# KiCad board 4servoboard-4x4.kicad_pcb
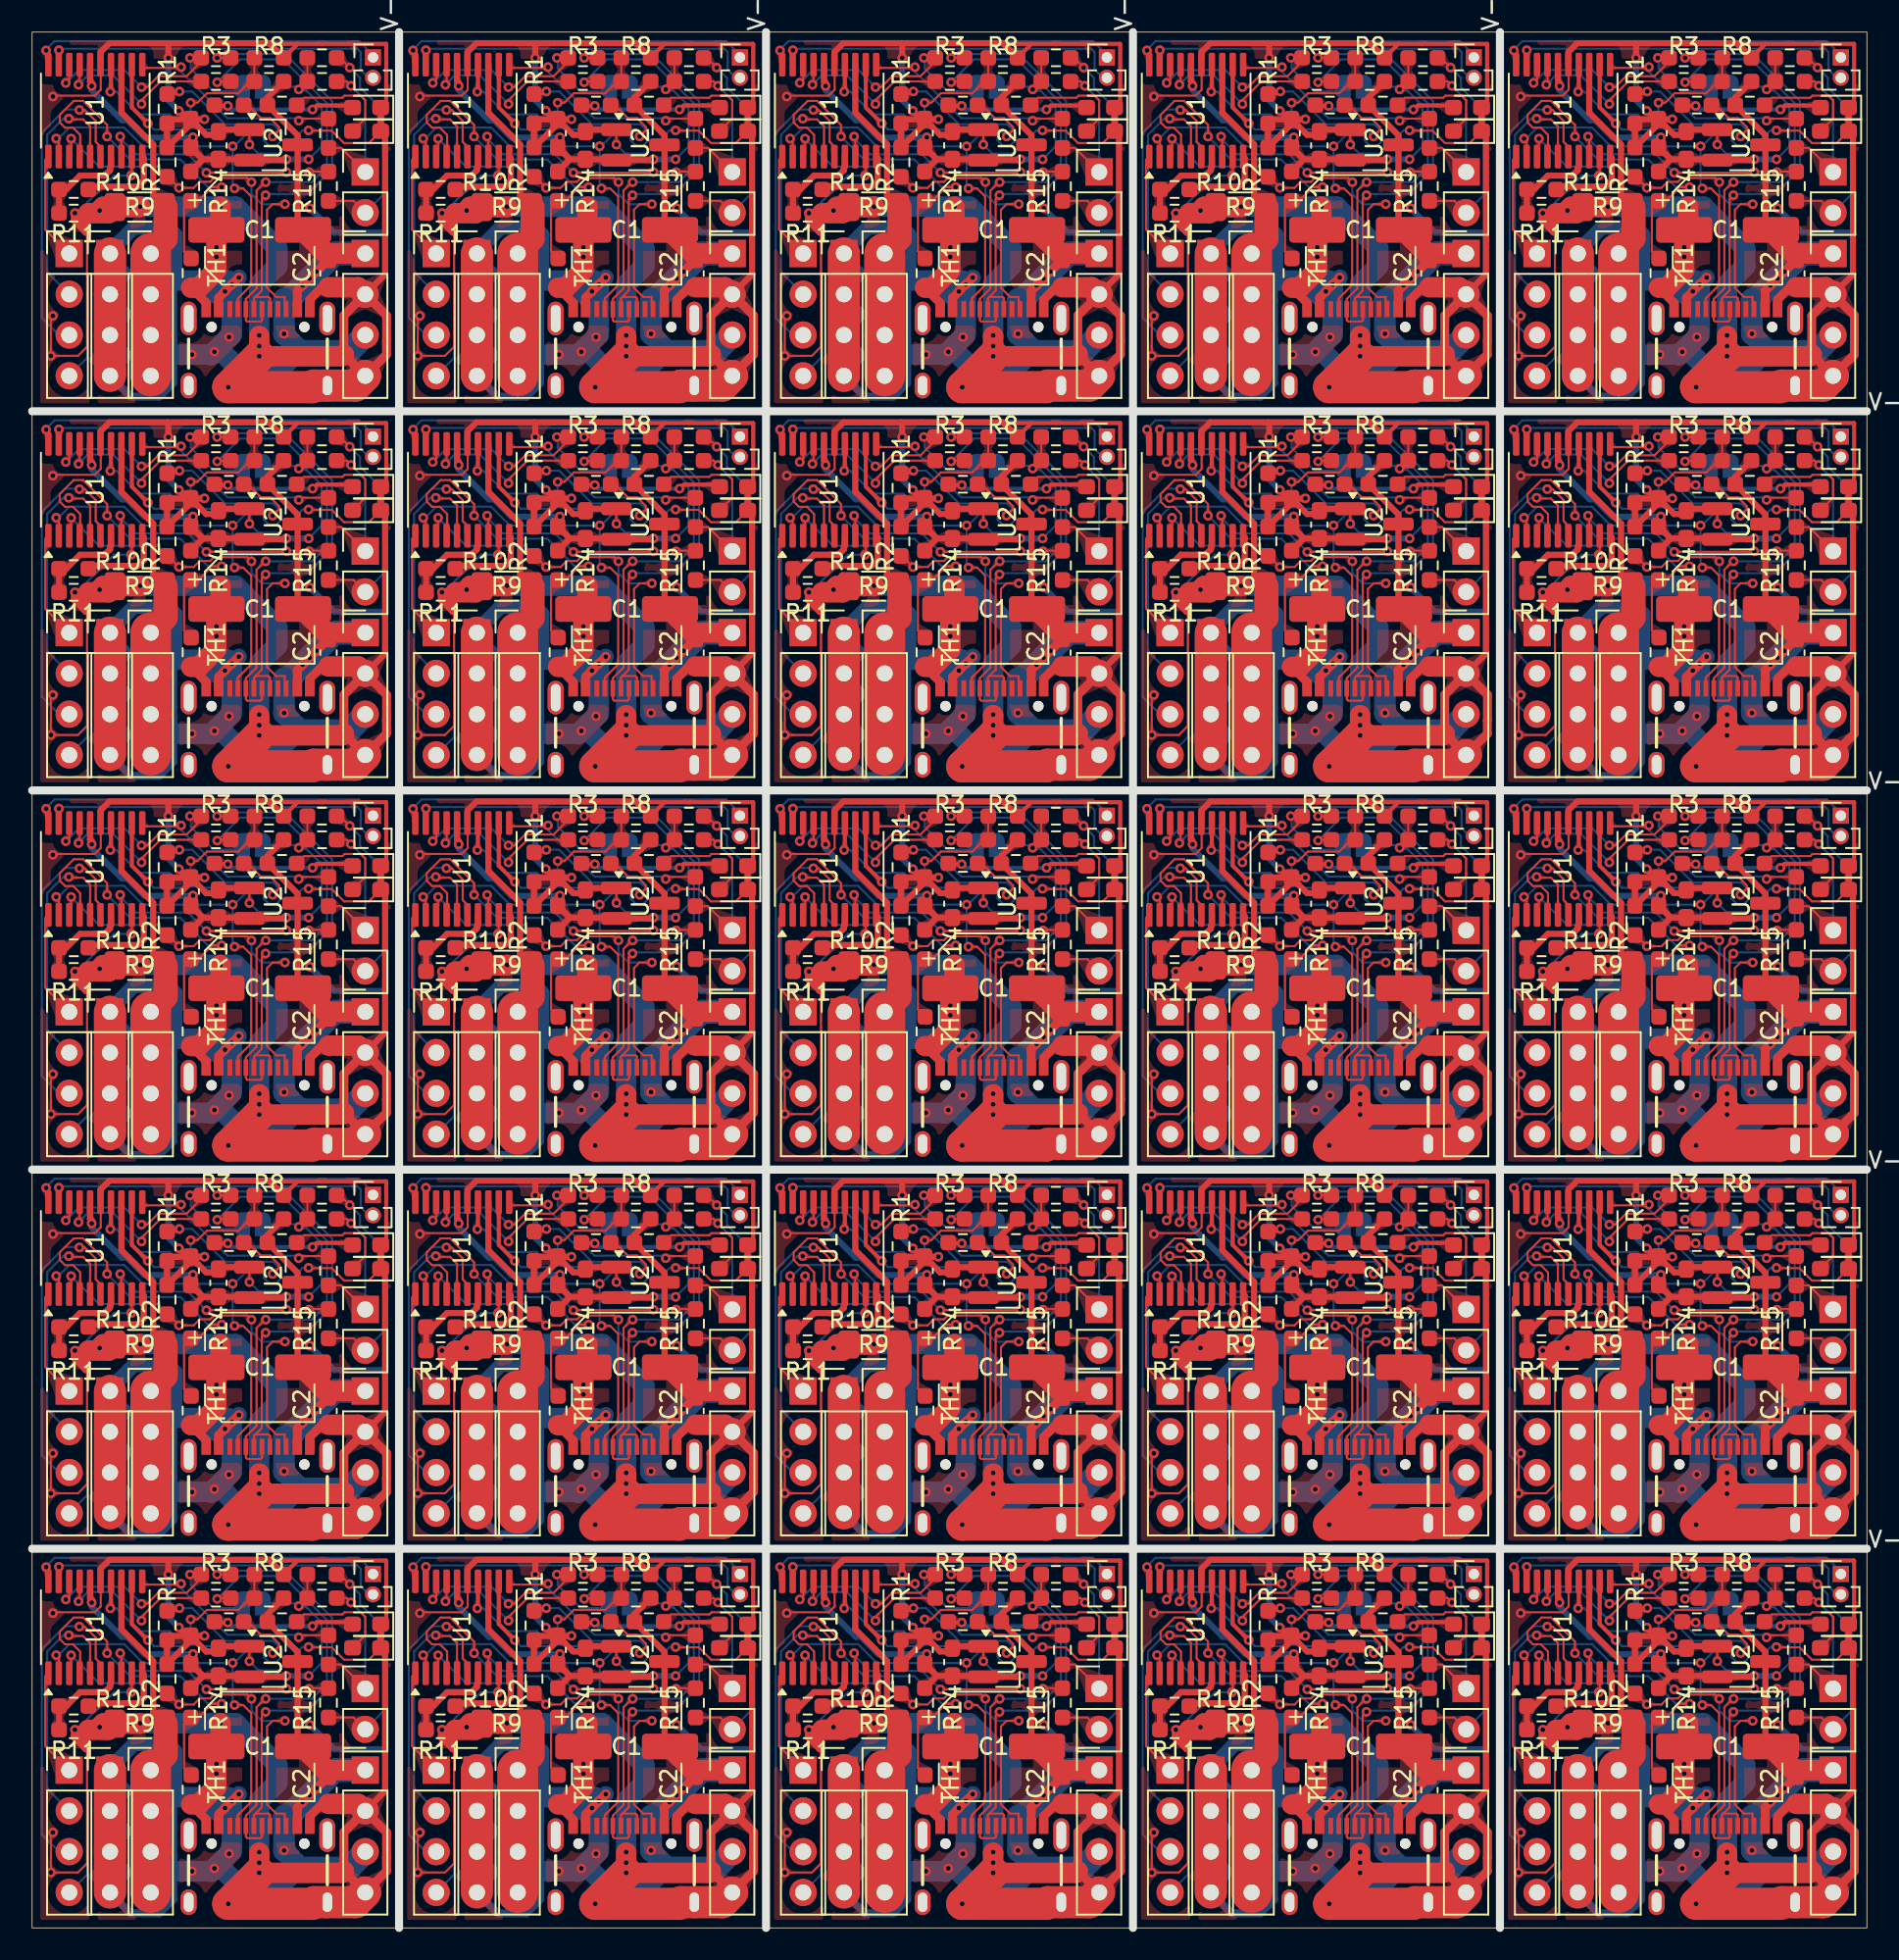
[diagram p0: board, top side]
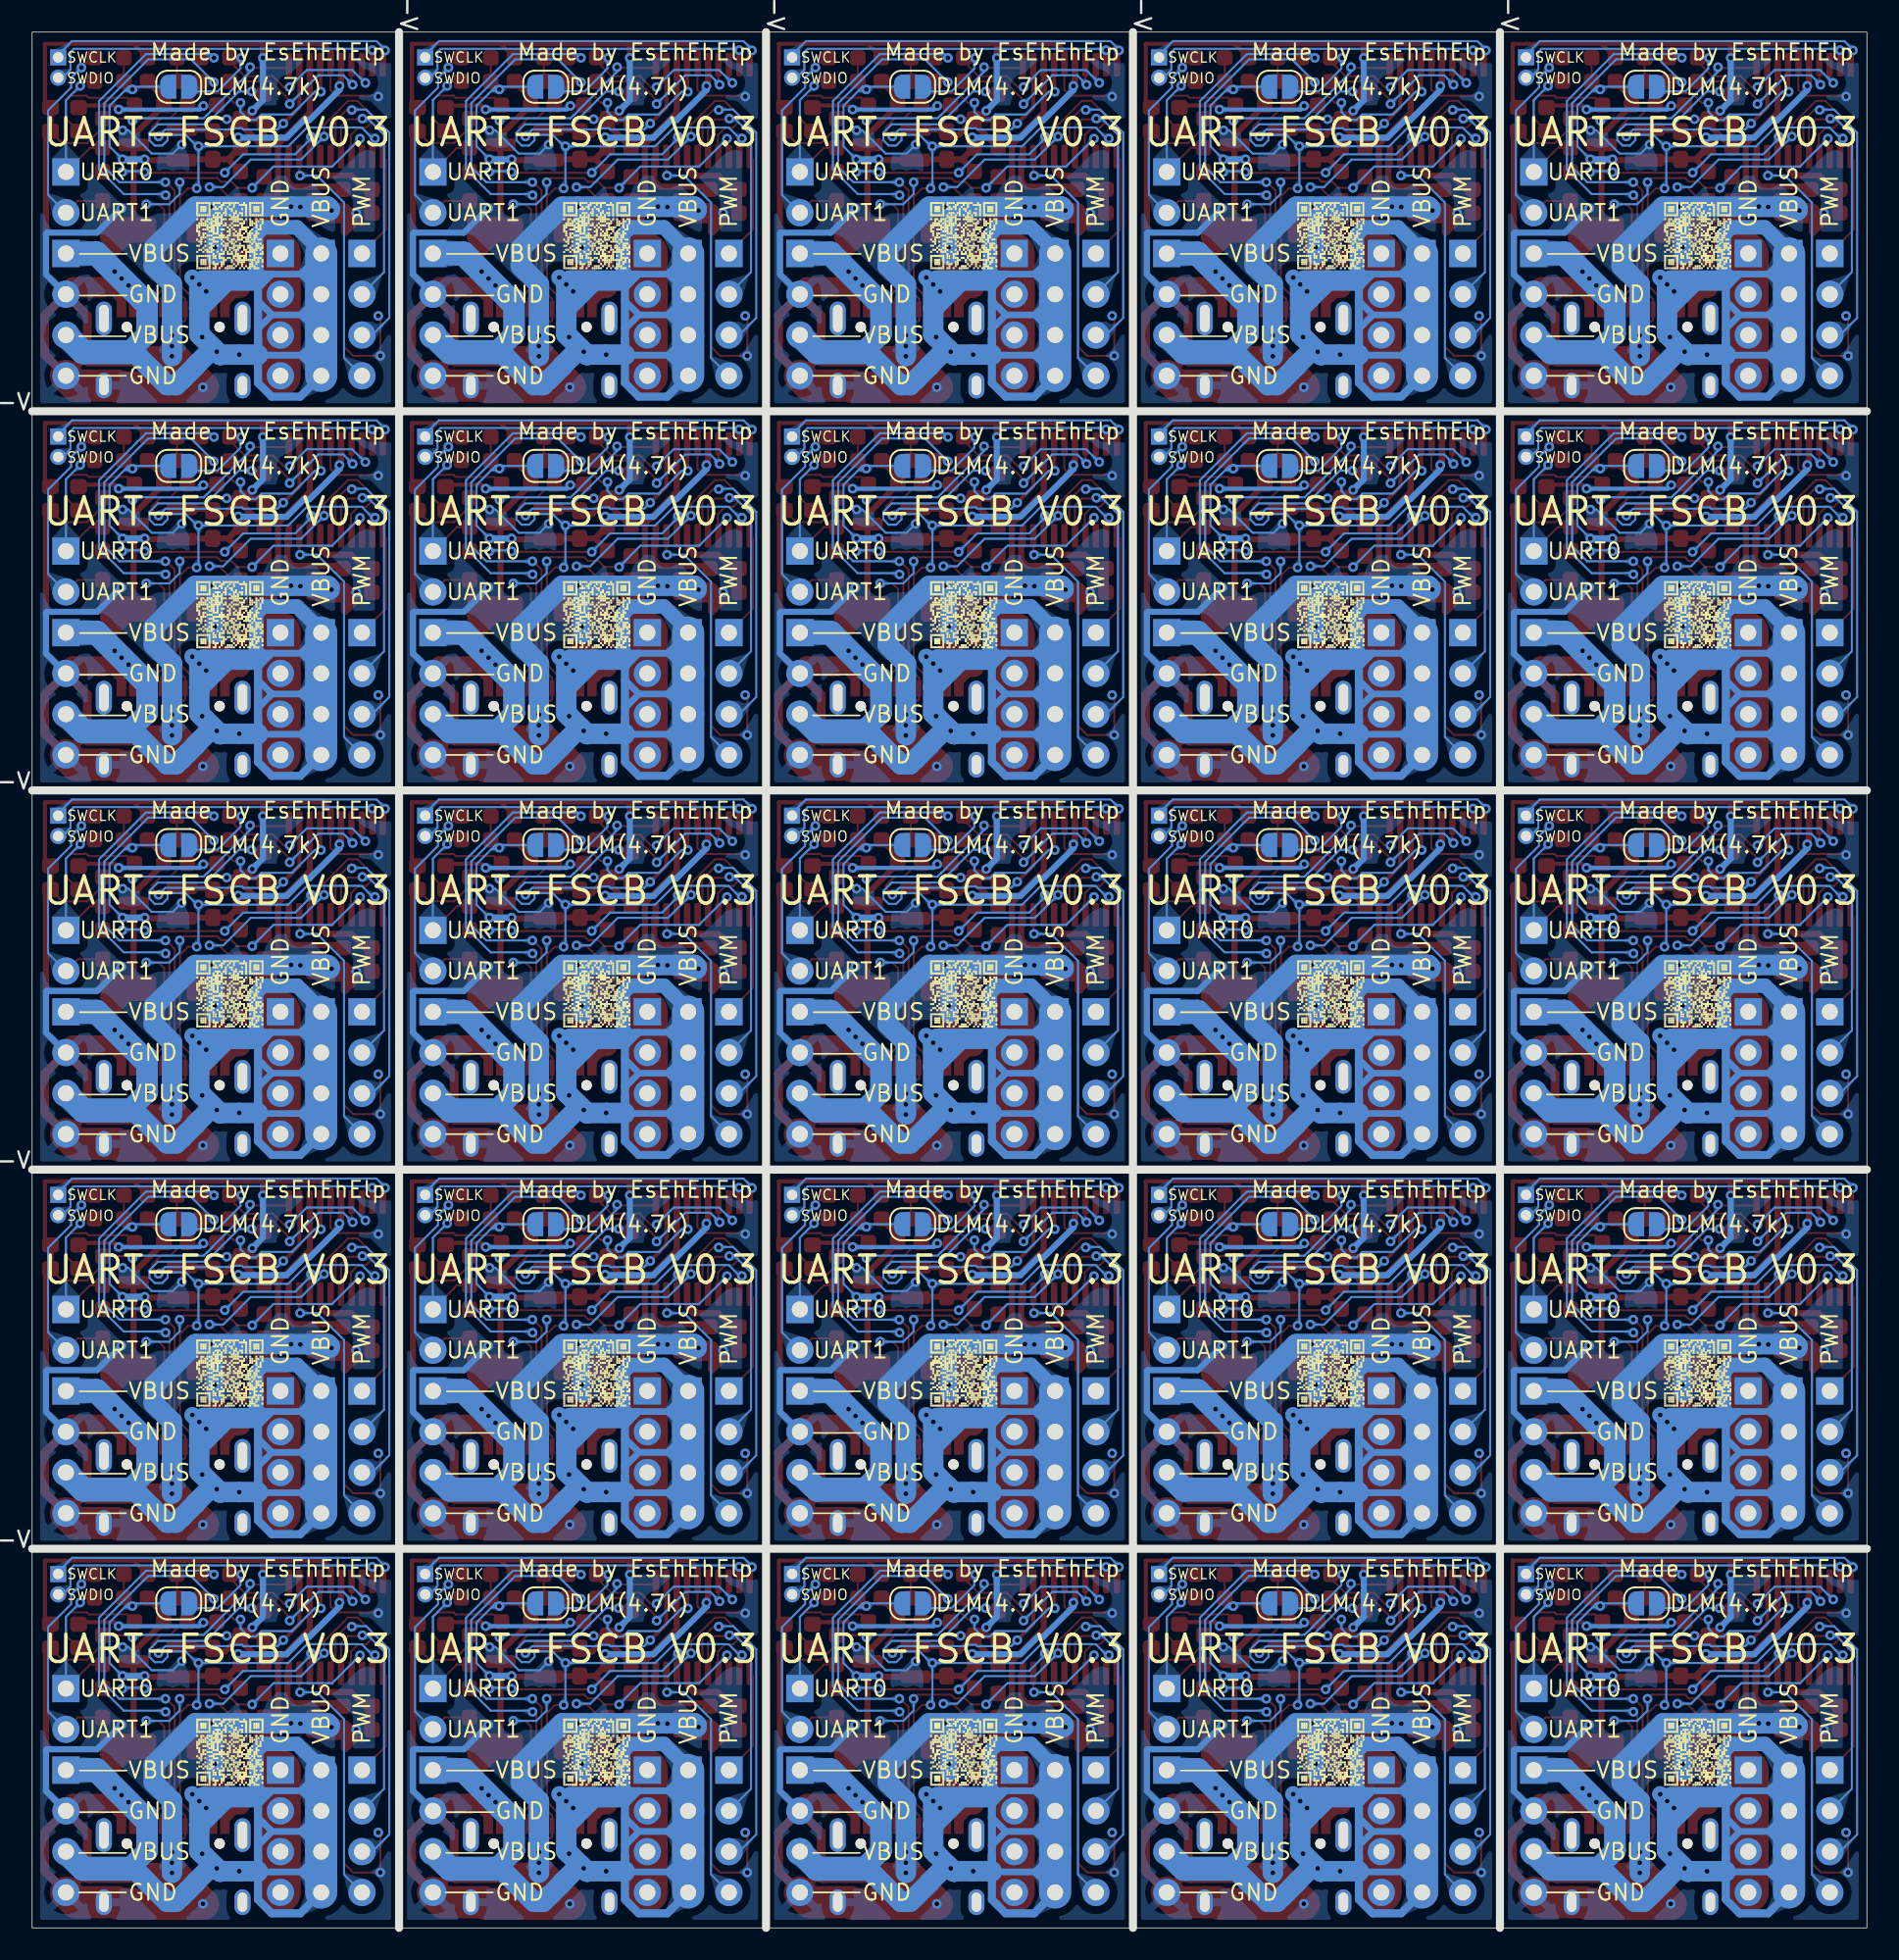
[diagram p1: board, bottom side, seen from below]

Outline 114.3 x 118.11 mm; copper layers: Top, Bottom. Coordinates in mm from the lower left corner of the outline.
Outline path: rectangle 0,118.11 22.86,94.49 ; rectangle 0,94.49 22.86,70.87 ; rectangle 0,70.87 22.86,47.24 ; rectangle 0,47.24 22.86,23.62 ; rectangle 0,23.62 22.86,0 ; rectangle 22.86,118.11 45.72,94.49 ; rectangle 22.86,94.49 45.72,70.87 ; rectangle 22.86,70.87 45.72,47.24 ; rectangle 22.86,47.24 45.72,23.62 ; rectangle 22.86,23.62 45.72,0 ; rectangle 45.72,118.11 68.58,94.49 ; rectangle 45.72,94.49 68.58,70.87 ; rectangle 45.72,70.87 68.58,47.24 ; rectangle 45.72,47.24 68.58,23.62 ; rectangle 45.72,23.62 68.58,0 ; rectangle 68.58,118.11 91.44,94.49 ; rectangle 68.58,94.49 91.44,70.87 ; rectangle 68.58,70.87 91.44,47.24 ; rectangle 68.58,47.24 91.44,23.62 ; rectangle 68.58,23.62 91.44,0 ; rectangle 91.44,118.11 114.3,94.49 ; rectangle 91.44,94.49 114.3,70.87 ; rectangle 91.44,70.87 114.3,47.24 ; rectangle 91.44,47.24 114.3,23.62 ; rectangle 91.44,23.62 114.3,0 ; 22.86,118.11 22.86,0 ; 45.72,118.11 45.72,0 ; 68.58,118.11 68.58,0 ; 91.44,118.11 91.44,0 ; 114.3,94.49 0,94.49 ; 114.3,70.87 0,70.87 ; 114.3,47.24 0,47.24 ; 114.3,23.62 0,23.62
Stack: Top 0.035mm / dielectric 1.51mm FR4 er 4.5 / Bottom 0.035mm

## Placement (name value [footprint] x y rotation side)
C1  100u/35V  [CP_Elec_6.3x7.7]  59.9 34.93 0 top
C1#2  100u/35V  [CP_Elec_6.3x7.7]  37.04 34.93 0 top
C1#3  100u/35V  [CP_Elec_6.3x7.7]  37.04 11.3 0 top
C1#4  100u/35V  [CP_Elec_6.3x7.7]  14.18 105.79 0 top
C1#5  100u/35V  [CP_Elec_6.3x7.7]  37.04 82.17 0 top
C1#6  100u/35V  [CP_Elec_6.3x7.7]  82.76 34.93 0 top
C1#7  100u/35V  [CP_Elec_6.3x7.7]  59.9 58.55 0 top
C1#8  100u/35V  [CP_Elec_6.3x7.7]  105.62 105.79 0 top
C1#9  100u/35V  [CP_Elec_6.3x7.7]  82.76 82.17 0 top
C1#10  100u/35V  [CP_Elec_6.3x7.7]  14.18 11.3 0 top
C1#11  100u/35V  [CP_Elec_6.3x7.7]  37.04 58.55 0 top
C1#12  100u/35V  [CP_Elec_6.3x7.7]  82.76 105.79 0 top
C1#13  100u/35V  [CP_Elec_6.3x7.7]  105.62 82.17 0 top
C1#14  100u/35V  [CP_Elec_6.3x7.7]  14.18 34.93 0 top
C1#15  100u/35V  [CP_Elec_6.3x7.7]  14.18 82.17 0 top
C1#16  100u/35V  [CP_Elec_6.3x7.7]  59.9 82.17 0 top
C1#17  100u/35V  [CP_Elec_6.3x7.7]  14.18 58.55 0 top
C1#18  100u/35V  [CP_Elec_6.3x7.7]  59.9 105.79 0 top
C1#19  100u/35V  [CP_Elec_6.3x7.7]  59.9 11.3 0 top
C1#20  100u/35V  [CP_Elec_6.3x7.7]  37.04 105.79 0 top
C1#21  100u/35V  [CP_Elec_6.3x7.7]  105.62 58.55 0 top
C1#22  100u/35V  [CP_Elec_6.3x7.7]  82.76 58.55 0 top
C1#23  100u/35V  [CP_Elec_6.3x7.7]  105.62 34.93 0 top
C1#24  100u/35V  [CP_Elec_6.3x7.7]  105.62 11.3 0 top
C1#25  100u/35V  [CP_Elec_6.3x7.7]  82.76 11.3 0 top
C2  0.1u/50V  [C_0603_1608Metric_Pad1.08x0.95mm_HandSolder]  109.91 8.59 90 top
C2#2  0.1u/50V  [C_0603_1608Metric_Pad1.08x0.95mm_HandSolder]  41.33 79.45 90 top
C2#3  0.1u/50V  [C_0603_1608Metric_Pad1.08x0.95mm_HandSolder]  41.33 55.83 90 top
C2#4  0.1u/50V  [C_0603_1608Metric_Pad1.08x0.95mm_HandSolder]  87.05 32.21 90 top
C2#5  0.1u/50V  [C_0603_1608Metric_Pad1.08x0.95mm_HandSolder]  109.91 79.45 90 top
C2#6  0.1u/50V  [C_0603_1608Metric_Pad1.08x0.95mm_HandSolder]  18.47 32.21 90 top
C2#7  0.1u/50V  [C_0603_1608Metric_Pad1.08x0.95mm_HandSolder]  18.47 55.83 90 top
C2#8  0.1u/50V  [C_0603_1608Metric_Pad1.08x0.95mm_HandSolder]  41.33 32.21 90 top
C2#9  0.1u/50V  [C_0603_1608Metric_Pad1.08x0.95mm_HandSolder]  87.05 8.59 90 top
C2#10  0.1u/50V  [C_0603_1608Metric_Pad1.08x0.95mm_HandSolder]  18.47 79.45 90 top
C2#11  0.1u/50V  [C_0603_1608Metric_Pad1.08x0.95mm_HandSolder]  64.19 103.07 90 top
C2#12  0.1u/50V  [C_0603_1608Metric_Pad1.08x0.95mm_HandSolder]  109.91 55.83 90 top
C2#13  0.1u/50V  [C_0603_1608Metric_Pad1.08x0.95mm_HandSolder]  64.19 79.45 90 top
C2#14  0.1u/50V  [C_0603_1608Metric_Pad1.08x0.95mm_HandSolder]  87.05 103.07 90 top
C2#15  0.1u/50V  [C_0603_1608Metric_Pad1.08x0.95mm_HandSolder]  109.91 32.21 90 top
C2#16  0.1u/50V  [C_0603_1608Metric_Pad1.08x0.95mm_HandSolder]  87.05 55.83 90 top
C2#17  0.1u/50V  [C_0603_1608Metric_Pad1.08x0.95mm_HandSolder]  109.91 103.07 90 top
C2#18  0.1u/50V  [C_0603_1608Metric_Pad1.08x0.95mm_HandSolder]  18.47 8.59 90 top
C2#19  0.1u/50V  [C_0603_1608Metric_Pad1.08x0.95mm_HandSolder]  41.33 8.59 90 top
C2#20  0.1u/50V  [C_0603_1608Metric_Pad1.08x0.95mm_HandSolder]  18.47 103.07 90 top
C2#21  0.1u/50V  [C_0603_1608Metric_Pad1.08x0.95mm_HandSolder]  64.19 8.59 90 top
C2#22  0.1u/50V  [C_0603_1608Metric_Pad1.08x0.95mm_HandSolder]  87.05 79.45 90 top
C2#23  0.1u/50V  [C_0603_1608Metric_Pad1.08x0.95mm_HandSolder]  64.19 55.83 90 top
C2#24  0.1u/50V  [C_0603_1608Metric_Pad1.08x0.95mm_HandSolder]  64.19 32.21 90 top
C2#25  0.1u/50V  [C_0603_1608Metric_Pad1.08x0.95mm_HandSolder]  41.33 103.07 90 top
C3  22u/10V  [C_0603_1608Metric_Pad1.08x0.95mm_HandSolder]  57.33 63.8 90 top
C3#2  22u/10V  [C_0603_1608Metric_Pad1.08x0.95mm_HandSolder]  80.19 63.8 90 top
C3#3  22u/10V  [C_0603_1608Metric_Pad1.08x0.95mm_HandSolder]  80.19 111.05 90 top
C3#4  22u/10V  [C_0603_1608Metric_Pad1.08x0.95mm_HandSolder]  80.19 87.43 90 top
C3#5  22u/10V  [C_0603_1608Metric_Pad1.08x0.95mm_HandSolder]  11.61 63.8 90 top
C3#6  22u/10V  [C_0603_1608Metric_Pad1.08x0.95mm_HandSolder]  11.61 40.18 90 top
C3#7  22u/10V  [C_0603_1608Metric_Pad1.08x0.95mm_HandSolder]  34.47 16.56 90 top
C3#8  22u/10V  [C_0603_1608Metric_Pad1.08x0.95mm_HandSolder]  57.33 111.05 90 top
C3#9  22u/10V  [C_0603_1608Metric_Pad1.08x0.95mm_HandSolder]  57.33 87.43 90 top
C3#10  22u/10V  [C_0603_1608Metric_Pad1.08x0.95mm_HandSolder]  34.47 87.43 90 top
C3#11  22u/10V  [C_0603_1608Metric_Pad1.08x0.95mm_HandSolder]  103.05 63.8 90 top
C3#12  22u/10V  [C_0603_1608Metric_Pad1.08x0.95mm_HandSolder]  103.05 87.43 90 top
C3#13  22u/10V  [C_0603_1608Metric_Pad1.08x0.95mm_HandSolder]  34.47 40.18 90 top
C3#14  22u/10V  [C_0603_1608Metric_Pad1.08x0.95mm_HandSolder]  11.61 87.43 90 top
C3#15  22u/10V  [C_0603_1608Metric_Pad1.08x0.95mm_HandSolder]  80.19 40.18 90 top
C3#16  22u/10V  [C_0603_1608Metric_Pad1.08x0.95mm_HandSolder]  11.61 16.56 90 top
C3#17  22u/10V  [C_0603_1608Metric_Pad1.08x0.95mm_HandSolder]  34.47 63.8 90 top
C3#18  22u/10V  [C_0603_1608Metric_Pad1.08x0.95mm_HandSolder]  11.61 111.05 90 top
C3#19  22u/10V  [C_0603_1608Metric_Pad1.08x0.95mm_HandSolder]  57.33 40.18 90 top
C3#20  22u/10V  [C_0603_1608Metric_Pad1.08x0.95mm_HandSolder]  80.19 16.56 90 top
C3#21  22u/10V  [C_0603_1608Metric_Pad1.08x0.95mm_HandSolder]  103.05 111.05 90 top
C3#22  22u/10V  [C_0603_1608Metric_Pad1.08x0.95mm_HandSolder]  34.47 111.05 90 top
C3#23  22u/10V  [C_0603_1608Metric_Pad1.08x0.95mm_HandSolder]  103.05 16.56 90 top
C3#24  22u/10V  [C_0603_1608Metric_Pad1.08x0.95mm_HandSolder]  103.05 40.18 90 top
C3#25  22u/10V  [C_0603_1608Metric_Pad1.08x0.95mm_HandSolder]  57.33 16.56 90 top
C4  0.1u/50V  [C_0603_1608Metric_Pad1.08x0.95mm_HandSolder]  101.32 111.81 90 top
C4#2  0.1u/50V  [C_0603_1608Metric_Pad1.08x0.95mm_HandSolder]  55.6 111.81 90 top
C4#3  0.1u/50V  [C_0603_1608Metric_Pad1.08x0.95mm_HandSolder]  101.32 40.94 90 top
C4#4  0.1u/50V  [C_0603_1608Metric_Pad1.08x0.95mm_HandSolder]  9.88 17.32 90 top
C4#5  0.1u/50V  [C_0603_1608Metric_Pad1.08x0.95mm_HandSolder]  9.88 111.81 90 top
C4#6  0.1u/50V  [C_0603_1608Metric_Pad1.08x0.95mm_HandSolder]  55.6 17.32 90 top
C4#7  0.1u/50V  [C_0603_1608Metric_Pad1.08x0.95mm_HandSolder]  32.74 40.94 90 top
C4#8  0.1u/50V  [C_0603_1608Metric_Pad1.08x0.95mm_HandSolder]  55.6 64.57 90 top
C4#9  0.1u/50V  [C_0603_1608Metric_Pad1.08x0.95mm_HandSolder]  101.32 17.32 90 top
C4#10  0.1u/50V  [C_0603_1608Metric_Pad1.08x0.95mm_HandSolder]  9.88 40.94 90 top
C4#11  0.1u/50V  [C_0603_1608Metric_Pad1.08x0.95mm_HandSolder]  32.74 111.81 90 top
C4#12  0.1u/50V  [C_0603_1608Metric_Pad1.08x0.95mm_HandSolder]  55.6 40.94 90 top
C4#13  0.1u/50V  [C_0603_1608Metric_Pad1.08x0.95mm_HandSolder]  78.46 88.19 90 top
C4#14  0.1u/50V  [C_0603_1608Metric_Pad1.08x0.95mm_HandSolder]  32.74 64.57 90 top
C4#15  0.1u/50V  [C_0603_1608Metric_Pad1.08x0.95mm_HandSolder]  101.32 64.57 90 top
C4#16  0.1u/50V  [C_0603_1608Metric_Pad1.08x0.95mm_HandSolder]  55.6 88.19 90 top
C4#17  0.1u/50V  [C_0603_1608Metric_Pad1.08x0.95mm_HandSolder]  78.46 17.32 90 top
C4#18  0.1u/50V  [C_0603_1608Metric_Pad1.08x0.95mm_HandSolder]  101.32 88.19 90 top
C4#19  0.1u/50V  [C_0603_1608Metric_Pad1.08x0.95mm_HandSolder]  9.88 64.57 90 top
C4#20  0.1u/50V  [C_0603_1608Metric_Pad1.08x0.95mm_HandSolder]  78.46 64.57 90 top
C4#21  0.1u/50V  [C_0603_1608Metric_Pad1.08x0.95mm_HandSolder]  78.46 40.94 90 top
C4#22  0.1u/50V  [C_0603_1608Metric_Pad1.08x0.95mm_HandSolder]  9.88 88.19 90 top
C4#23  0.1u/50V  [C_0603_1608Metric_Pad1.08x0.95mm_HandSolder]  32.74 17.32 90 top
C4#24  0.1u/50V  [C_0603_1608Metric_Pad1.08x0.95mm_HandSolder]  32.74 88.19 90 top
C4#25  0.1u/50V  [C_0603_1608Metric_Pad1.08x0.95mm_HandSolder]  78.46 111.81 90 top
D1  SERVO_PWR  [LED_0603_1608Metric_Pad1.05x0.95mm_HandSolder]  89.42 88.32 180 top
D1#2  SERVO_PWR  [LED_0603_1608Metric_Pad1.05x0.95mm_HandSolder]  112.28 111.94 180 top
D1#3  SERVO_PWR  [LED_0603_1608Metric_Pad1.05x0.95mm_HandSolder]  20.84 41.07 180 top
D1#4  SERVO_PWR  [LED_0603_1608Metric_Pad1.05x0.95mm_HandSolder]  112.28 88.32 180 top
D1#5  SERVO_PWR  [LED_0603_1608Metric_Pad1.05x0.95mm_HandSolder]  20.84 17.45 180 top
D1#6  SERVO_PWR  [LED_0603_1608Metric_Pad1.05x0.95mm_HandSolder]  89.42 64.69 180 top
D1#7  SERVO_PWR  [LED_0603_1608Metric_Pad1.05x0.95mm_HandSolder]  43.7 64.69 180 top
D1#8  SERVO_PWR  [LED_0603_1608Metric_Pad1.05x0.95mm_HandSolder]  89.42 17.45 180 top
D1#9  SERVO_PWR  [LED_0603_1608Metric_Pad1.05x0.95mm_HandSolder]  66.56 88.32 180 top
D1#10  SERVO_PWR  [LED_0603_1608Metric_Pad1.05x0.95mm_HandSolder]  66.56 64.69 180 top
D1#11  SERVO_PWR  [LED_0603_1608Metric_Pad1.05x0.95mm_HandSolder]  66.56 41.07 180 top
D1#12  SERVO_PWR  [LED_0603_1608Metric_Pad1.05x0.95mm_HandSolder]  89.42 111.94 180 top
D1#13  SERVO_PWR  [LED_0603_1608Metric_Pad1.05x0.95mm_HandSolder]  66.56 17.45 180 top
D1#14  SERVO_PWR  [LED_0603_1608Metric_Pad1.05x0.95mm_HandSolder]  43.7 88.32 180 top
D1#15  SERVO_PWR  [LED_0603_1608Metric_Pad1.05x0.95mm_HandSolder]  89.42 41.07 180 top
D1#16  SERVO_PWR  [LED_0603_1608Metric_Pad1.05x0.95mm_HandSolder]  112.28 41.07 180 top
D1#17  SERVO_PWR  [LED_0603_1608Metric_Pad1.05x0.95mm_HandSolder]  112.28 64.69 180 top
D1#18  SERVO_PWR  [LED_0603_1608Metric_Pad1.05x0.95mm_HandSolder]  66.56 111.94 180 top
D1#19  SERVO_PWR  [LED_0603_1608Metric_Pad1.05x0.95mm_HandSolder]  43.7 111.94 180 top
D1#20  SERVO_PWR  [LED_0603_1608Metric_Pad1.05x0.95mm_HandSolder]  112.28 17.45 180 top
D1#21  SERVO_PWR  [LED_0603_1608Metric_Pad1.05x0.95mm_HandSolder]  20.84 64.69 180 top
D1#22  SERVO_PWR  [LED_0603_1608Metric_Pad1.05x0.95mm_HandSolder]  43.7 17.45 180 top
D1#23  SERVO_PWR  [LED_0603_1608Metric_Pad1.05x0.95mm_HandSolder]  20.84 111.94 180 top
D1#24  SERVO_PWR  [LED_0603_1608Metric_Pad1.05x0.95mm_HandSolder]  43.7 41.07 180 top
D1#25  SERVO_PWR  [LED_0603_1608Metric_Pad1.05x0.95mm_HandSolder]  20.84 88.32 180 top
D2  MCU_LED  [LED_0603_1608Metric_Pad1.05x0.95mm_HandSolder]  43.7 42.55 180 top
D2#2  MCU_LED  [LED_0603_1608Metric_Pad1.05x0.95mm_HandSolder]  89.42 66.17 180 top
D2#3  MCU_LED  [LED_0603_1608Metric_Pad1.05x0.95mm_HandSolder]  66.56 66.17 180 top
D2#4  MCU_LED  [LED_0603_1608Metric_Pad1.05x0.95mm_HandSolder]  20.84 89.79 180 top
D2#5  MCU_LED  [LED_0603_1608Metric_Pad1.05x0.95mm_HandSolder]  66.56 113.41 180 top
D2#6  MCU_LED  [LED_0603_1608Metric_Pad1.05x0.95mm_HandSolder]  43.7 89.79 180 top
D2#7  MCU_LED  [LED_0603_1608Metric_Pad1.05x0.95mm_HandSolder]  112.28 89.79 180 top
D2#8  MCU_LED  [LED_0603_1608Metric_Pad1.05x0.95mm_HandSolder]  112.28 66.17 180 top
D2#9  MCU_LED  [LED_0603_1608Metric_Pad1.05x0.95mm_HandSolder]  20.84 66.17 180 top
D2#10  MCU_LED  [LED_0603_1608Metric_Pad1.05x0.95mm_HandSolder]  89.42 113.41 180 top
D2#11  MCU_LED  [LED_0603_1608Metric_Pad1.05x0.95mm_HandSolder]  112.28 42.55 180 top
D2#12  MCU_LED  [LED_0603_1608Metric_Pad1.05x0.95mm_HandSolder]  89.42 42.55 180 top
D2#13  MCU_LED  [LED_0603_1608Metric_Pad1.05x0.95mm_HandSolder]  66.56 18.92 180 top
D2#14  MCU_LED  [LED_0603_1608Metric_Pad1.05x0.95mm_HandSolder]  20.84 42.55 180 top
D2#15  MCU_LED  [LED_0603_1608Metric_Pad1.05x0.95mm_HandSolder]  20.84 113.41 180 top
D2#16  MCU_LED  [LED_0603_1608Metric_Pad1.05x0.95mm_HandSolder]  43.7 113.41 180 top
D2#17  MCU_LED  [LED_0603_1608Metric_Pad1.05x0.95mm_HandSolder]  43.7 66.17 180 top
D2#18  MCU_LED  [LED_0603_1608Metric_Pad1.05x0.95mm_HandSolder]  66.56 42.55 180 top
D2#19  MCU_LED  [LED_0603_1608Metric_Pad1.05x0.95mm_HandSolder]  66.56 89.79 180 top
D2#20  MCU_LED  [LED_0603_1608Metric_Pad1.05x0.95mm_HandSolder]  112.28 113.41 180 top
D2#21  MCU_LED  [LED_0603_1608Metric_Pad1.05x0.95mm_HandSolder]  89.42 18.92 180 top
D2#22  MCU_LED  [LED_0603_1608Metric_Pad1.05x0.95mm_HandSolder]  112.28 18.92 180 top
D2#23  MCU_LED  [LED_0603_1608Metric_Pad1.05x0.95mm_HandSolder]  43.7 18.92 180 top
D2#24  MCU_LED  [LED_0603_1608Metric_Pad1.05x0.95mm_HandSolder]  89.42 89.79 180 top
D2#25  MCU_LED  [LED_0603_1608Metric_Pad1.05x0.95mm_HandSolder]  20.84 18.92 180 top
J1  USB_C_Receptacle  [USB-C_16]  82.65 6.7 0 top
J1#2  USB_C_Receptacle  [USB-C_16]  36.93 6.7 0 top
J1#3  USB_C_Receptacle  [USB-C_16]  82.65 53.94 0 top
J1#4  USB_C_Receptacle  [USB-C_16]  82.65 77.56 0 top
J1#5  USB_C_Receptacle  [USB-C_16]  82.65 30.32 0 top
J1#6  USB_C_Receptacle  [USB-C_16]  82.65 101.18 0 top
J1#7  USB_C_Receptacle  [USB-C_16]  14.07 30.32 0 top
J1#8  USB_C_Receptacle  [USB-C_16]  14.07 101.18 0 top
J1#9  USB_C_Receptacle  [USB-C_16]  36.93 30.32 0 top
J1#10  USB_C_Receptacle  [USB-C_16]  105.51 53.94 0 top
J1#11  USB_C_Receptacle  [USB-C_16]  59.79 101.18 0 top
J1#12  USB_C_Receptacle  [USB-C_16]  36.93 53.94 0 top
J1#13  USB_C_Receptacle  [USB-C_16]  36.93 101.18 0 top
J1#14  USB_C_Receptacle  [USB-C_16]  105.51 30.32 0 top
J1#15  USB_C_Receptacle  [USB-C_16]  59.79 6.7 0 top
J1#16  USB_C_Receptacle  [USB-C_16]  14.07 6.7 0 top
J1#17  USB_C_Receptacle  [USB-C_16]  14.07 77.56 0 top
J1#18  USB_C_Receptacle  [USB-C_16]  36.93 77.56 0 top
J1#19  USB_C_Receptacle  [USB-C_16]  14.07 53.94 0 top
J1#20  USB_C_Receptacle  [USB-C_16]  59.79 30.32 0 top
J1#21  USB_C_Receptacle  [USB-C_16]  105.51 6.7 0 top
J1#22  USB_C_Receptacle  [USB-C_16]  59.79 53.94 0 top
J1#23  USB_C_Receptacle  [USB-C_16]  105.51 77.56 0 top
J1#24  USB_C_Receptacle  [USB-C_16]  59.79 77.56 0 top
J1#25  USB_C_Receptacle  [USB-C_16]  105.51 101.18 0 top
J2  PWM  [PinHeader_1x04_P2.54mm_Vertical]  25.17 33.45 0 top
J2#2  PWM  [PinHeader_1x04_P2.54mm_Vertical]  93.75 104.32 0 top
J2#3  PWM  [PinHeader_1x04_P2.54mm_Vertical]  25.17 80.7 0 top
J2#4  PWM  [PinHeader_1x04_P2.54mm_Vertical]  25.17 104.32 0 top
J2#5  PWM  [PinHeader_1x04_P2.54mm_Vertical]  93.75 57.07 0 top
J2#6  PWM  [PinHeader_1x04_P2.54mm_Vertical]  70.89 57.07 0 top
J2#7  PWM  [PinHeader_1x04_P2.54mm_Vertical]  25.17 57.07 0 top
J2#8  PWM  [PinHeader_1x04_P2.54mm_Vertical]  48.03 57.07 0 top
J2#9  PWM  [PinHeader_1x04_P2.54mm_Vertical]  48.03 104.32 0 top
J2#10  PWM  [PinHeader_1x04_P2.54mm_Vertical]  48.03 33.45 0 top
J2#11  PWM  [PinHeader_1x04_P2.54mm_Vertical]  93.75 80.7 0 top
J2#12  PWM  [PinHeader_1x04_P2.54mm_Vertical]  70.89 80.7 0 top
J2#13  PWM  [PinHeader_1x04_P2.54mm_Vertical]  2.31 57.07 0 top
J2#14  PWM  [PinHeader_1x04_P2.54mm_Vertical]  2.31 9.83 0 top
J2#15  PWM  [PinHeader_1x04_P2.54mm_Vertical]  2.31 80.7 0 top
J2#16  PWM  [PinHeader_1x04_P2.54mm_Vertical]  48.03 9.83 0 top
J2#17  PWM  [PinHeader_1x04_P2.54mm_Vertical]  2.31 104.32 0 top
J2#18  PWM  [PinHeader_1x04_P2.54mm_Vertical]  48.03 80.7 0 top
J2#19  PWM  [PinHeader_1x04_P2.54mm_Vertical]  93.75 33.45 0 top
J2#20  PWM  [PinHeader_1x04_P2.54mm_Vertical]  70.89 104.32 0 top
J2#21  PWM  [PinHeader_1x04_P2.54mm_Vertical]  2.31 33.45 0 top
J2#22  PWM  [PinHeader_1x04_P2.54mm_Vertical]  25.17 9.83 0 top
J2#23  PWM  [PinHeader_1x04_P2.54mm_Vertical]  70.89 33.45 0 top
J2#24  PWM  [PinHeader_1x04_P2.54mm_Vertical]  70.89 9.83 0 top
J2#25  PWM  [PinHeader_1x04_P2.54mm_Vertical]  93.75 9.83 0 top
J3  UART  [PinHeader_1x02_P2.54mm_Vertical]  43.61 109.4 0 top
J3#2  UART  [PinHeader_1x02_P2.54mm_Vertical]  112.19 109.4 0 top
J3#3  UART  [PinHeader_1x02_P2.54mm_Vertical]  20.75 109.4 0 top
J3#4  UART  [PinHeader_1x02_P2.54mm_Vertical]  20.75 38.53 0 top
J3#5  UART  [PinHeader_1x02_P2.54mm_Vertical]  89.33 85.78 0 top
J3#6  UART  [PinHeader_1x02_P2.54mm_Vertical]  89.33 14.91 0 top
J3#7  UART  [PinHeader_1x02_P2.54mm_Vertical]  66.47 109.4 0 top
J3#8  UART  [PinHeader_1x02_P2.54mm_Vertical]  66.47 62.15 0 top
J3#9  UART  [PinHeader_1x02_P2.54mm_Vertical]  20.75 14.91 0 top
J3#10  UART  [PinHeader_1x02_P2.54mm_Vertical]  66.47 38.53 0 top
J3#11  UART  [PinHeader_1x02_P2.54mm_Vertical]  43.61 85.78 0 top
J3#12  UART  [PinHeader_1x02_P2.54mm_Vertical]  112.19 85.78 0 top
J3#13  UART  [PinHeader_1x02_P2.54mm_Vertical]  66.47 85.78 0 top
J3#14  UART  [PinHeader_1x02_P2.54mm_Vertical]  43.61 62.15 0 top
J3#15  UART  [PinHeader_1x02_P2.54mm_Vertical]  89.33 62.15 0 top
J3#16  UART  [PinHeader_1x02_P2.54mm_Vertical]  112.19 62.15 0 top
J3#17  UART  [PinHeader_1x02_P2.54mm_Vertical]  89.33 38.53 0 top
J3#18  UART  [PinHeader_1x02_P2.54mm_Vertical]  20.75 85.78 0 top
J3#19  UART  [PinHeader_1x02_P2.54mm_Vertical]  43.61 14.91 0 top
J3#20  UART  [PinHeader_1x02_P2.54mm_Vertical]  89.33 109.4 0 top
J3#21  UART  [PinHeader_1x02_P2.54mm_Vertical]  66.47 14.91 0 top
J3#22  UART  [PinHeader_1x02_P2.54mm_Vertical]  20.75 62.15 0 top
J3#23  UART  [PinHeader_1x02_P2.54mm_Vertical]  43.61 38.53 0 top
J3#24  UART  [PinHeader_1x02_P2.54mm_Vertical]  112.19 14.91 0 top
J3#25  UART  [PinHeader_1x02_P2.54mm_Vertical]  112.19 38.53 0 top
J4  GND  [PinHeader_1x04_P2.54mm_Vertical]  98.83 57.07 0 top
J4#2  GND  [PinHeader_1x04_P2.54mm_Vertical]  75.97 9.83 0 top